# Altium PCB OBC Development Board.PcbDoc (part 1 of 3) (continued)
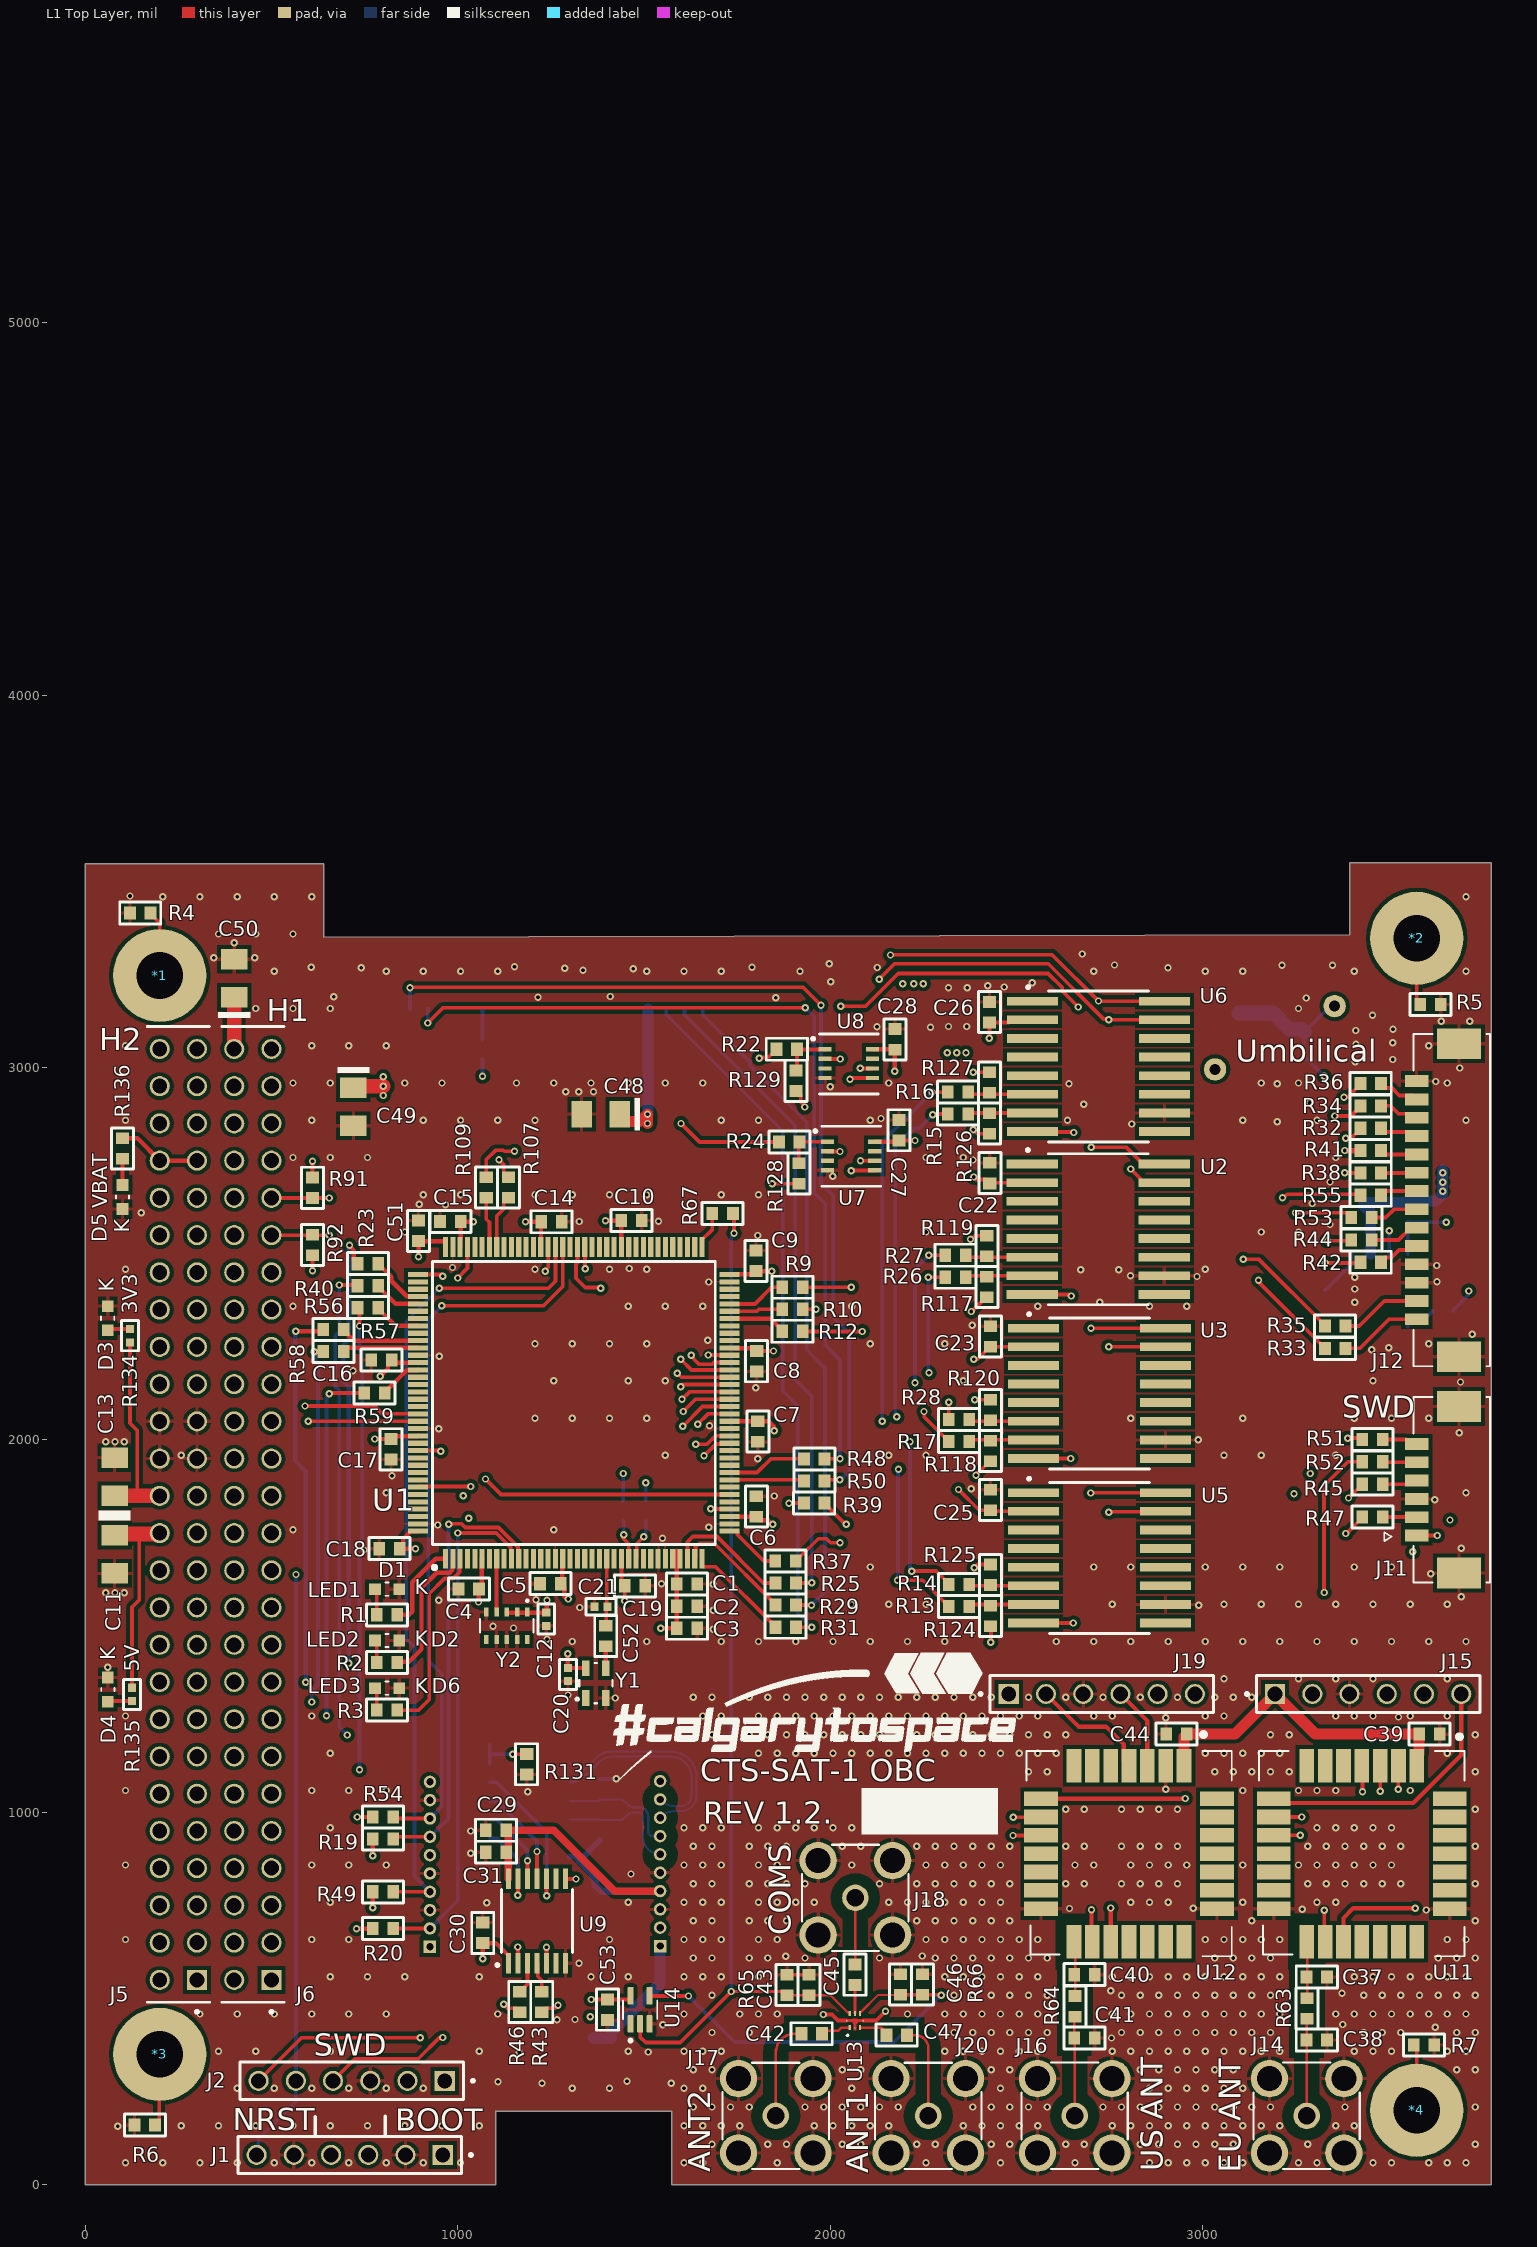
[diagram p0: L1 Top Layer view]
## Design rules (kind name [scope] priority, off if disabled: settings) (continued)
SilkToSilkClearance [All] p1 off: silktosilkclearance=0
SilkToSolderMaskClearance [IsPad] p1: minsilkscreentomaskgap=5.91 clearancetoexposedcopper=TRUE
SolderMaskExpansion SolderMaskExpansion_PAD [InPadClass('All Pads')] p1: expansion=2 istentingtop=FALSE
SolderMaskExpansion SolderMaskExpansion_VIA [IsVia] p2: expansion=4 istentingtop=TRUE
SolderMaskExpansion [All] p3: expansion=4 istentingtop=FALSE
Width "RF 50ohms" [InNetClass('50Ohms')] p1: maxlimit=10 minlimit=7 preferedwidth=10 toplayer_maxwidth=7 toplayer_prefwidth=7 midlayer1_minwidth=10 midlayer2_minwidth=10 bottomlayer_maxwidth=7 bottomlayer_prefwidth=7 minimp=50.000000 maximp=50.000000 favimp=50.000000
Width [All] p2: maxlimit=50 minlimit=4 preferedwidth=10 minimp=50.000000 maximp=50.000000 favimp=50.000000
22 further rules are at their usual default settings.

## Classes and differential pairs
net class "DIF 100 OHMS": MPI_RX_N MPI_RX_P MPI_TX_N MPI_TX_P
net class 50Ohms: NetC37_2 NetC38_2 NetC40_2 NetC41_2 NetC42_1 NetC42_2 NetC45_1 NetC45_2 NetC47_1 NetC47_2
component class "Boom Deployment": C24 C33 C34 C35 C36 D7 J8 J9 L1 R60 R61 R62 TP1 TP2 U4
component class STM32: C1 C2 C3 C4 C5 C6 C7 C8 C9 C10 C12 C13 C14 C15 C16 C17 C18 C19 C20 C21 C51 C52 D1 D2 D6 J1 J2 R1 R2 R3 R9 R10 R12 R13 R14 R15 R16 R17 R18 R19 R20 R21 R22 R23 R24 R25 R26 R27 R28 R29 R30 R31 R37 R39 R40 R43 R46 R48 R49 R50 R54 R56 R57 R58 R59 R67 R91 R92 R107 R109 U1 Y1 Y2
component class "Antenna and LoRa": C37 C38 C39 C40 C41 C42 C43 C44 C45 C46 C47 C53 J13 J14 J15 J16 J17 J18 J19 J20 R63 R64 R65 R66 U11 U12 U13 U14
component class Memory: C22 C23 C25 C26 C27 C28 R117 R118 R119 R120 R124 R125 R126 R127 R128 R129 U2 U3 U5 U6 U7 U8
component class "External Connectors": *1 *2 *3 *4 C11 C29 C30 C31 C32 C48 C49 C50 D3 D4 D5 J3 J4 J5 J6 J7 J10 J11 J12 R4 R5 R6 R7 R8 R11 R32 R33 R34 R35 R36 R38 R41 R42 R44 R45 R47 R51 R52 R53 R55 R130 R131 R134 R135 R136 U9 U10
differential pair MPI_TX: +MPI_TX_P -MPI_TX_N
differential pair MPI_RX: +MPI_RX_P -MPI_RX_N

## Components (designator, comment, footprint, x,y, rotation, side; value= is the part's Value field where it differs from the comment)
*1 "PC104 Mounting" "PC104 Mounting Points"#1 270,3200 r0 top
*2 "PC104 Mounting" "PC104 Mounting Points"#2 3575.59,3347.24 r0 top
*3 "PC104 Mounting" "PC104 Mounting Points"#3 267,290 r0 top
*4 "PC104 Mounting" "PC104 Mounting Points"#4 3500,260 r0 top
C1 "0.1uF" 0603 1616,1613 r180 top
C2 "1uF" 0603 1615.69,1553.4 r180 top
C3 "0.1uF" 0603 1615.69,1494.35 r180 top
C4 "0.1uF" 0603 1030,1600 r0 top
C5 "0.1uF" 0603 1249,1614 r0 top
C6 "0.1uF" 0603 1802,1821.44 r270 top
C7 "0.1uF" 0603 1806,2022.44 r90 top
C8 "0.1uF" 0603 1803,2211.44 r90 top
C9 "0.1uF" 0603 1801,2481 r270 top
C10 "0.1uF" 0603 1467,2589 r180 top
C11 "4.7uF" "CAP TANT 1206 (A) TCJ" 78.74,1692.91 r270 top
C12 "0.1uF" 0402 1238,1518.72 r90 top
C13 "4.7uF" "CAP TANT 1206 (A) TCJ" 78.74,1901.57 r90 top
C14 "0.1uF" 0603 1252,2586 r180 top
C15 "0.1uF" 0603 980.44,2587 r0 top
C16 "0.1uF" 0603 795.28,2214.57 r0 top
C17 "0.1uF" 0603 821,1975 r90 top
C18 "0.1uF" 0603 817,1708 r0 top
C19 "0.1uF" 0603 1476.38,1608.27 r180 top
C20 "0.1uF" 0402 1296,1370 r90 top
C21 "15 pF" 0402 1384.84,1552.17 r180 top
C22 "0.1uF" 0603 2429.13,2716.54 r90 top
C23 "0.1uF" 0603 2431.1,2277.56 r90 top
C24 "0.1uF" 0603 3328.74,2375 r90 bottom
C25 "0.1uF" 0603 2431.1,1838.58 r90 top
C26 "0.1uF" 0603 2428.31,3148.84 r90 top
C27 "0.1uF" 0603 2185.04,2831.69 r90 top
C28 "0.1uF" 0603 2174.21,3075.79 r90 top
C29 "0.1uF" 0603 1102.76,952 r180 top
C30 "0.1uF" 0603 1067.33,676.41 r90 top
C31 "1uF" 0603 1102.76,892.94 r0 top
C32 "0.1uF" 0603 1390.75,826.77 r0 bottom
C33 "22uF" "CAP TANT 1206 (A) TCJ" 3393.7,2637.8 r180 bottom
C34 "47 uF" CC-25SVPF47M 3090.55,2905.51 r0 bottom
C35 "47 uF" CC-25SVPF47M 2704.72,2905.51 r180 bottom
C36 "47 uF" CC-25SVPF47M 2724.41,2566.93 r270 bottom
C37 "0.7 pF" 0603 3307.09,558.07 r180 top
C38 "0.7 pF" 0603 3307.09,388.78 r180 top
C39 "4.7 µF" 0603 3610,1210 r180 top
C40 "0.7 pF" 0603 2683.56,564 r180 top
C41 "0.7 pF" 0603 2683.56,394 r180 top
C42 "100pF" 0603 1950.79,405.51 r0 top
C43 "33 pF" 0603 1943.9,536.42 r90 top
C44 "4.7 µF" 0603 2930.12,1210.63 r0 top
C45 "100pF" 0603 2066.93,563.98 r90 top
C46 "33 pF" 0603 2188.98,537.4 r270 top
C47 "100pF" 0603 2179.13,401.57 r180 top
C48 "4.7uF" "CAP TANT 1206 (A) TCJ" 1383.82,2875 r180 top
C49 "4.7uF" "CAP TANT 1206 (A) TCJ" 720,2895 r270 top
C50 "4.7uF" "CAP TANT 1206 (A) TCJ" 400,3240 r90 top
C51 "0.1uF" 0603 895,2561.56 r270 top
C52 "0.01uF" 0603 1397.64,1473.43 r270 top
C53 "0.1uF" 0603 1402,470 r90 top
D1 "D-SML-D12U1WT86" D-SML-D12U1WT86 810.54,1599.34 r180 top
D2 "D-SML-D12U1WT86" D-SML-D12U1WT86 810.54,1461.54 r180 top
D3 "D-SML-D12U1WT86" D-SML-D12U1WT86 60.07,2326.94 r270 top
D4 "D-SML-D12U1WT86" D-SML-D12U1WT86 60.54,1329.67 r270 top
D5 "D-SML-D12U1WT86" D-SML-D12U1WT86 100,2652.48 r90 top
D6 "D-SML-D12U1WT86" D-SML-D12U1WT86 810.54,1333.59 r180 top
D7 "B540C-13-F" D-B540C-13-F 3154.53,2116.14 r180 bottom
J1 "J-TSW-106-05-T-S" J-TSW-106-05-T-S 960,80 r180 top locked
J2 "J-TSW-106-05-T-S" J-TSW-106-05-T-S 965.35,279.06 r180 top locked
J3 "J-0532610871" J-532610871 944.88,3251.97 r0 bottom locked
J4 "J-0532610471" J-53261-0471 1339.57,393.7 r180 bottom locked
J5 "J-ESQ-126-14-G-D" J-ESQ-126-14-G-D 300,550 r270 top locked
J6 "J-ESQ-126-14-G-D" J-ESQ-126-14-G-D 500,550 r270 top locked
J7 "J-0532610671" J-0532610671 1633.86,3251.97 r0 bottom locked
J8 "J-0532610871" J-532610871 2342.52,3251.97 r0 bottom locked
J9 "J-0532610671" J-0532610671 3056.1,3251.97 r0 bottom locked
J10 "J-0530471010" J-0530471010 1543.71,640.98 r270 bottom
J11 "J-0532610671" J-0532610671 3669.65,1866.34 r90 top
J12 "J-0532617014" J-532617014 3669.65,2643.86 r270 top locked
J13 "J-0530471010" J-0530471010 925.6,639.01 r270 bottom
J14 "252105" J-252105 3280,185 r90 top
J15 "J-TSW-106-05-T-S" J-TSW-106-05-T-S 3195.08,1317.91 r0 top
J16 "252105" J-252105 2657,185 r90 top
J17 "252105" J-252105 1854.33,185.04 r0 top
J18 "252105" J-252105 2068.06,770.48 r0 top
J19 "J-TSW-106-05-T-S" J-TSW-106-05-T-S 2479.92,1317.91 r0 top
J20 "252105" J-252105 2263.78,185.04 r0 top
L1 "6.8 UH" L-IHLP4040DZER6R8M01 3081.69,2480.51 r270 bottom value="6.8 uH"
R1 "220R" 0603 810.54,1530.44 r0 top
R2 "220R" 0603 810.54,1402.49 r0 top
R3 "220R" 0603 810.54,1274.54 r0 top
R4 "0R" 0603 147.64,3415.35 r0 top
R5 "0R" 0603 3612.2,3169.29 r180 top
R6 "0R" 0603 160,160 r0 top
R7 "0R" 0603 3595,375 r180 top
R8 "1K" 0603 1382.29,952 r270 bottom
R9 "22R" 0603 1899.5,2410.07 r180 top
R10 "22R" 0603 1899.5,2351.02 r180 top
R11 "1K" 0603 1382.29,1062.24 r270 bottom
R12 "22R" 0603 1899.5,2291.96 r180 top
R13 "0R" 0603 2346.61,1553.03 r0 top
R14 "0R" 0603 2346.61,1612.09 r0 top
R15 "0R" 0603 2343.86,2875.06 r0 top
R16 "0R" 0603 2343.86,2934.12 r0 top
R17 "0R" 0603 2346.46,1996.06 r0 top
R18 "22R" 0603 1445,1810 r270 bottom
R19 "4K7" 0603 799.61,928.38 r0 top
R20 "4K7" 0603 799.61,688.22 r0 top
R21 "22R" 0603 1505,1810 r270 bottom
R22 "0R" 0603 1883.86,3049.21 r0 top
R23 "22R" 0603 758.86,2473.43 r180 top
R24 "0R" 0603 1890.75,2800.2 r0 top
R25 "22R" 0603 1880.91,1616.14 r180 top
R26 "0R" 0603 2336.61,2437.01 r0 top
R27 "0R" 0603 2336.61,2496.06 r0 top
R28 "0R" 0603 2346.46,2055.12 r0 top
R29 "22R" 0603 1880.82,1556.54 r180 top
R30 "0R" 0603 1066.93,3049.21 r90 bottom
R31 "0R" 0603 1880.91,1497.05 r180 top
R32 "0R" 0603 3451.93,2837.17 r0 top
R33 "0R" 0603 3356.46,2246.02 r0 top
R34 "0R" 0603 3451.93,2897.17 r180 top
R35 "0R" 0603 3356.46,2306.02 r0 top
R36 "0R" 0603 3451.93,2957.17 r180 top
R37 "0R" 0603 1880.56,1675 r0 top
R38 "0R" 0603 3451.93,2717.17 r180 top
R39 "22R" 0603 1957.56,1831 r180 top
R40 "22R" 0603 758.86,2414.37 r180 top
R41 "0R" 0603 3451.93,2777.17 r180 top
R42 "0R" 0603 3451.93,2477.17 r0 top
R43 "0R" 0603 1225.8,490.39 r90 top
R44 "0R" 0603 3426.93,2537.17 r0 top
R45 "0R" 0603 3456.89,1881.34 r0 top
R46 "0R" 0603 1166.7,490.39 r90 top
R47 "0R" 0603 3456.89,1793.31 r0 top
R48 "22R" 0603 1957.82,1949.26 r180 top
R49 "4K7" 0603 799.61,786.65 r0 top
R50 "22R" 0603 1957.82,1890.2 r180 top
R51 "0R" 0603 3456.89,2001.34 r0 top
R52 "0R" 0603 3456.89,1941.34 r0 top
R53 "0R" 0603 3426.93,2597.17 r0 top
R54 "4K7" 0603 799.61,987.43 r0 top
R55 "0R" 0603 3451.93,2657.17 r0 top
R56 "22R" 0603 758.86,2355.32 r180 top
R57 "22R" 0603 666.34,2296.26 r180 top
R58 "22R" 0603 666.34,2237.2 r180 top
R59 "22R" 0603 776.57,2125.98 r180 top
R60 "10K" 0603 3551.18,2614.17 r90 bottom
R61 "10K" 0603 3645.67,2346.46 r0 bottom
R62 "0.5R" 2010 3366.14,3062.99 r180 bottom
R63 "0R" 0603 3281,473.56 r270 top
R64 "0R" 0603 2658,479 r270 top
R65 "10K" 0603 1884.84,536.42 r90 top
R66 "10K" 0603 2248.03,537.4 r270 top
R67 "0R" 0603 1711.61,2608.27 r180 top
R91 "4K7" 0603 610.24,2677.17 r90 top
R92 "4K7" 0603 610.24,2523.62 r90 top
R107 "22R" 0603 1136.2,2678.28 r90 top
R109 "22R" 0603 1077,2678 r90 top
R117 "10K" 0603 2421.1,2410.55 r90 top
R118 "10K" 0603 2431.1,1970.47 r90 top
R119 "10K" 0603 2421.1,2520.79 r270 top
R120 "10K" 0603 2431.1,2080.71 r90 top
R124 "10K" 0603 2431.1,1527.56 r90 top
R125 "10K" 0603 2431.1,1637.8 r90 top
R126 "10K" 0603 2428.31,2849.63 r90 top
R127 "10K" 0603 2428.31,2959.86 r90 top
R128 "10K" 0603 1916.34,2715.55 r90 top
R129 "10K" 0603 1908.46,2964.57 r90 top
R130 "100R" 0603 1441.35,1007.12 r270 bottom
R131 "100R" 0603 1185.44,1129.17 r90 top
R134 "100R" 0402 120,2280 r90 top value=220R
R135 "100R" 0402 125.54,1316.95 r270 top value=220R
R136 "10K" 0603 100,2782.44 r90 top
TP1 "TP" TP 3035,2995 r90 bottom
TP2 "TP" TP 3355,3166 r180 bottom
U1 "U-STM32L4R5ZIT6" U-STM32L4R5ZIT6 1311.86,2099.6 r90 top locked
U2 "S70FL01GSAGMFI011" U-S70FL01GSAGMFI011 2720.31,2565.87 r0 top
U3 "S70FL01GSAGMFI011" U-S70FL01GSAGMFI011 2723.57,2125.25 r0 top
U4 "ADP2303ARDZ" U-ADP2303ARDZ 3476.38,2401.57 r270 bottom
U5 "S70FL01GSAGMFI011" U-S70FL01GSAGMFI011 2723.57,1683.41 r0 top
U6 "S70FL01GSAGMFI011" U-S70FL01GSAGMFI011 2720.94,3003.32 r0 top
U7 "CY15B108QN-40LPXI" U-CY15B108QN-40LPXI 2056.65,2762.4 r0 top
U8 "CY15B108QN-40LPXI" U-CY15B108QN-40LPXI 2050.47,3010.43 r0 top
U9 "U-MAX3378EEUD+T" U-MAX3378EEUD+T 1213,707.91 r0 top
U10 "MAX3086EESD+T" U-MAX3086EESD+T 1193.32,1030.74 r0 bottom
U11 "317990829" U-LORA-E5 3428,889 r270 top
U12 "317990829" U-LORA-E5 2803,889 r270 top
U13 "SKY13323-378LF" U-SKY13323-378LF 2066.93,440.94 r90 top
U14 "SN74LVC1G14DCKR" U-SN74LVC1G14DCKR 1490,469.8 r90 top
Y1 "TG2520SMN 20.0000M-MCGNNM3" "Y-TG2520SMN 20.0000M-MCGNNM3" 1371,1347 r90 top
Y2 "TG-3541CE 32.7680KXB3" "Y-TG-3541CE 32.7680KXB3" 1132,1501 r270 top

## Footprints (in the part's own frame and the unit in brackets; to place one, negate y for a bottom-side part, rotate by r counter-clockwise, add the part's x,y. Pads: shape width x height; smd on the part's side, far side on the other; paste and mask are expansions set on the pad)
0402 [mm] "Chip Resistor, 2-Leads, Body 1,00x0,50mm, IPC Medium Density"
  rect 0.55x0.55 smd: 1(-0.45,0) 2(0.45,0)
  silkscreen extent -1.03,-0.58 1.03,0.58, body extent -0.53,-0.27 0.53,0.28, height 0.4
0603 [mm]
  rect 0.8x0.9 smd: 1(-0.7,0) 2(0.7,0)
  silkscreen extent -1.4,-0.75 1.4,0.75, body extent -0.88,-0.48 0.87,0.47, height 1.3
2010 [mm]
  rect 1.4x3.05 smd paste+0 mask+0: 1(-2.35,0) 2(2.35,0)
  silkscreen extent -3.58,-1.5 1.3,1.5, body extent -2.5,-1.25 2.5,1.25, height 0.65
"CAP TANT 1206 (A) TCJ" [mm] "Cap Tant 2-Leads, EIA 1206, Metric 3216, Body 3.2x1.6mm"
  rect 1.4x1.8 smd: 1(-1.3,0) 2(1.3,0)
  silkscreen extent -2.7,-1.1 -2.3,1.1, body extent -1.7,-0.84 1.7,0.84, height 1.72
CC-25SVPF47M [mm]
  rect 3.5x1.6 smd: 1(-2.8,0) 2(2.8,0)
  silkscreen extent -4.45,-3.3 3.3,3.3, body extent -3.65,-3.3 3.65,3.3, height 5.9
D-B540C-13-F [mm]
  rrect25% 2.33x3.07 smd: A(3.365,0) C(-3.365,0)
  silkscreen extent -5.35,-3.05 3.55,3.05, body extent -4.1,-2.96 3.84,2.95, height 2.25
D-SML-D12U1WT86 [mm]
  rect 0.8x0.8 smd: A(0.825,0) C(-0.825,0)
  silkscreen extent -0.11,-0.45 0.11,0.45, body extent -0.8,-0.4 0.8,0.4, height 0.55
J-53261-0471 [mm]
  rect 0.8x1.6 smd: 1(-1.875,0) 2(-0.625,0) 3(0.625,0) 4(1.875,0)
  rect 2.1x3 smd: S1(-4.425,-2.9) S2(4.425,-2.9)
  silkscreen extent -3.37,-5 3.37,1.47, body extent -5.07,-4.72 5.07,0.48, height 3.4
J-252105 [mm]
  round 2.55 / inner round 2.21 / far side round 2.21 hole 1.7: 0(-2.54,-2.54) 0(-2.54,2.54) 0(2.54,-2.54) 0(2.54,2.54)
  round 1.8 / inner round 2.007 / far side round 2.007 hole 1.2 mask+0: 1(0,0)
  silkscreen extent -3.63,-3.63 3.63,3.63, body extent -3,-3 3,3, height 5.42
J-0530471010 [mm]
  rect 0.85x0.85 hole 0.5 mask+0.076: 1(0,0)
  round 0.85 hole 0.5 mask+0.076: 2(-1.25,0) 3(-2.5,0) 4(-3.75,0) 5(-5,0) 6(-6.25,0) 7(-7.5,0) 8(-8.75,0) 9(-10,0) 10(-11.25,0)
  silkscreen extent -12.75,-2.05 2.3,1.15, body extent -12.71,-2.03 1.54,1.17, height 4.23
J-0532610671 [mm]
  rect 0.8x1.6 smd mask+0: 1(-3.125,2.4) 2(-1.875,2.4) 3(-0.625,2.4) 4(0.625,2.4) 5(1.875,2.4) 6(3.125,2.4)
  rect 2.1x3 smd mask+0: S1(-5.675,-0.5) S2(5.675,-0.5)
  silkscreen extent -6.32,-2.6 6.32,4.6, body extent -6.32,-2.5 6.32,2.7, height 3.38
J-532610871 [mm]
  rect 0.8x1.6 smd mask+0: 1(-4.375,2.4) 2(-3.125,2.4) 3(-1.875,2.4) 4(-0.625,2.4) 5(0.625,2.4) 6(1.875,2.4) 7(3.125,2.4) 8(4.375,2.4)
  rect 2.1x3 smd mask+0: S1(-6.925,-0.5) S2(6.925,-0.5)
  silkscreen extent -7.57,-2.6 7.57,4.58, body extent -7.57,-2.14 7.57,3.06, height 3.38
J-532617014 [mm]
  rect 0.8x1.6 smd mask+0: 1(8.125,-2.4) 2(6.875,-2.4) 3(5.625,-2.4) 4(4.375,-2.4) 5(3.125,-2.4) 6(1.875,-2.4) 7(0.625,-2.4) 8(-0.625,-2.4) 9(-1.875,-2.4) 10(-3.125,-2.4) 11(-4.375,-2.4) 12(-5.625,-2.4) 13(-6.875,-2.4) 14(-8.125,-2.4)
  rect 2.1x3 smd mask+0: S1(10.675,0.5) S2(-10.675,0.5)
  silkscreen extent -11.32,-2.6 11.32,2.6, body extent -11.32,-2.62 11.32,2.58, height 3.38
J-ESQ-126-14-G-D [mm]
  rect 1.37x1.37 hole 1.02: 01(0,0)
  round 1.37 hole 1.02: 02(0,-2.54) 03(-2.54,0) 04(-2.54,-2.54) 05(-5.08,0) 06(-5.08,-2.54) 07(-7.62,0) 08(-7.62,-2.54) 09(-10.16,0) 10(-10.16,-2.54) 11(-12.7,0) 12(-12.7,-2.54) 13(-15.24,0) 14(-15.24,-2.54) 15(-17.78,0) 16(-17.78,-2.54) 17(-20.32,0) 18(-20.32,-2.54) 19(-22.86,0) 20(-22.86,-2.54) 21(-25.4,0) 22(-25.4,-2.54) 23(-27.94,0) 24(-27.94,-2.54) 25(-30.48,0) 26(-30.48,-2.54) 27(-33.02,0) 28(-33.02,-2.54) 29(-35.56,0) 30(-35.56,-2.54) 31(-38.1,0) 32(-38.1,-2.54) 33(-40.64,0) 34(-40.64,-2.54) 35(-43.18,0) 36(-43.18,-2.54) 37(-45.72,0) 38(-45.72,-2.54) 39(-48.26,0) 40(-48.26,-2.54) 41(-50.8,0) 42(-50.8,-2.54) 43(-53.34,0) 44(-53.34,-2.54) 45(-55.88,0) 46(-55.88,-2.54) 47(-58.42,0) 48(-58.42,-2.54) 49(-60.96,0) 50(-60.96,-2.54) 51(-63.5,0) 52(-63.5,-2.54)
  silkscreen extent -65.03,-3.39 2.27,0.85, body extent -65.02,-3.81 1.52,1.27, height 11.1
J-TSW-106-05-T-S [mm]
  rect 1.37x1.37 hole 1.02: 01(0,0)
  round 1.37 hole 1.02: 02(2.54,0) 03(5.08,0) 04(7.62,0) 05(10.16,0) 06(12.7,0)
  silkscreen extent -2.02,-1.27 13.97,1.27, body extent -1.35,-1.27 14.02,1.27, height 5.21
L-IHLP4040DZER6R8M01 [mil]
  rect 115x128 smd paste+0 mask+0: 1(-168.5,0) 2(168.5,0)
  silkscreen extent -273,-208 225,208, body extent -220,-202 220,202, height 160
"PC104 Mounting Points"#1 [mm]
  round 6.35 hole 3.18: 1(-1.778,1.2)
"PC104 Mounting Points"#2 [mm]
  round 6.35 hole 3.18: 1(0,0)
"PC104 Mounting Points"#3 [mm]
  round 6.35 hole 3.18: 1(-1.702,1.524)
"PC104 Mounting Points"#4 [mm]
  round 6.35 hole 3.18: 1(1.92,-1.524)
TP [mil]
  round 60 hole 30: 1(0,-1)
U-ADP2303ARDZ [mm]
  rrect25% 1.97x0.6 smd: 1(-2.475,1.905) 2(-2.475,0.635) 3(-2.475,-0.635) 4(-2.475,-1.905) 5(2.475,-1.905) 6(2.475,-0.635) 7(2.475,0.635) 8(2.475,1.905)
  rect 2.29x2.29 smd paste-2: 9(0,0)
  silkscreen extent -4.54,-2.52 2,2.6, body extent -3,-2.45 3,2.45, height 1.75
U-CY15B108QN-40LPXI [mm]
  rect 0.9x0.3 smd: 1(-1.615,0.975) 2(-1.615,0.325) 3(-1.615,-0.325) 4(-1.615,-0.975) 5(1.615,-0.975) 6(1.615,-0.325) 7(1.615,0.325) 8(1.615,0.975)
  silkscreen extent -2.54,-2.06 2.01,2.03, body extent -1.62,-1.64 1.62,1.64, height 0.55
U-LORA-E5 [mm]
  rrect0% 2.3x1 smd: 1(-6,3.75) 2(-6,2.5) 3(-6,1.25) 4(-6,0) 5(-6,-1.25) 6(-6,-2.5) 7(-6,-3.75) 15(6,-3.75) 16(6,-2.5) 17(6,-1.25) 18(6,0) 19(6,1.25) 20(6,2.5) 21(6,3.75)
  rrect0% 1x2.3 smd: 8(-3.75,-6) 9(-2.5,-6) 10(-1.25,-6) 11(0,-6) 12(1.25,-6) 13(2.5,-6) 14(3.75,-6) 22(3.75,6) 23(2.5,6) 24(1.25,6) 25(0,6) 26(-1.25,6) 27(-2.5,6) 28(-3.75,6)
  silkscreen extent -8.08,-7 7,7, body extent -6,-6 6,6, height 2.5
U-MAX3086EESD+T [mil]
  rect 57.5x21 smd paste+0 mask+0: 1(-107.25,150) 2(-107.25,100) 3(-107.25,50) 4(-107.25,0) 5(-107.25,-50) 6(-107.25,-100) 7(-107.25,-150) 8(107.25,-150) 9(107.25,-100) 10(107.25,-50) 11(107.25,0) 12(107.25,50) 13(107.25,100) 14(107.25,150)
  silkscreen extent -114,-177 84,193, body extent -122,-172 122,172, height 69
U-MAX3378EEUD+T [mm]
  rect 0.35x1.4 smd: 1(-1.95,-2.875) 2(-1.3,-2.875) 3(-0.65,-2.875) 4(0,-2.875) 5(0.65,-2.875) 6(1.3,-2.875) 7(1.95,-2.875) 8(1.95,2.875) 9(1.3,2.875) 10(0.65,2.875) 11(0,2.875) 12(-0.65,2.875) 13(-1.3,2.875) 14(-1.95,2.875)
  silkscreen extent -2.8,-3.1 2.41,2.16, body extent -2.5,-3.17 2.5,3.23, height 1.1
U-S70FL01GSAGMFI011 [mm]
  rect 3.5x0.6 smd: 1(-4.5,4.445) 2(-4.5,3.175) 3(-4.5,1.905) 4(-4.5,0.635) 5(-4.5,-0.635) 6(-4.5,-1.905) 7(-4.5,-3.175) 8(-4.5,-4.445) 9(4.5,-4.445) 10(4.5,-3.175) 11(4.5,-1.905) 12(4.5,-0.635) 13(4.5,0.635) 14(4.5,1.905) 15(4.5,3.175) 16(4.5,4.445)
  silkscreen extent -4.9,-5.15 3.4,5.5, body extent -5.15,-5.15 5.15,5.15, height 2.65
U-SKY13323-378LF [mm]
  rect 0.33x0.15 smd: 1(-0.485,0.35) 3(-0.485,-0.35) 4(0.485,-0.35) 5(0.485,0) 6(0.485,0.35)
  rect 0.1x0.1 smd paste-1 mask+0: 2(-0.51,0) 2(0,0.555) 2(0,-0.555)
  L1 Top Layer region: 0.075,0.365 -0.075,0.25 -0.075,0.65 0.075,0.65
  L1 Top Layer region: 0.075,-0.65 -0.075,-0.65 -0.075,-0.365 0.075,-0.365
  L1 Top Layer region: 0.13,0.165 0.13,-0.165 0.075,-0.365 -0.075,-0.365 -0.075,-0.25 -0.25,-0.075 -0.25,0.075 -0.162,0.162 -0.075,0.25 0.075,0.365
  L1 Top Layer region: -0.25,-0.075 -0.65,-0.075 -0.65,0.075 -0.25,0.075
  silkscreen extent -1.09,0.44 -0.95,0.58, body extent -0.5,-0.5 0.5,0.5, height 0.5
U-SN74LVC1G14DCKR [mm]
  rrect25% 1.19x0.4 smd: 1(-0.96,0.65) 2(-0.96,0) 3(-0.96,-0.65) 4(0.96,-0.65) 5(0.96,0.65)
  silkscreen extent -2.2,-1.17 0.63,1.17, body extent -1.05,-1 1.05,1, height 1.1
U-STM32L4R5ZIT6 [mm]
  rect 1.35x0.35 smd mask+0.051: 1(-10.625,8.75) 2(-10.625,8.25) 3(-10.625,7.75) 4(-10.625,7.25) 5(-10.625,6.75) 6(-10.625,6.25) 7(-10.625,5.75) 8(-10.625,5.25) 9(-10.625,4.75) 10(-10.625,4.25) 11(-10.625,3.75) 12(-10.625,3.25) 13(-10.625,2.75) 14(-10.625,2.25) 15(-10.625,1.75) 17(-10.625,0.75) 18(-10.625,0.25) 19(-10.625,-0.25) 20(-10.625,-0.75) 21(-10.625,-1.25) 22(-10.625,-1.75) 23(-10.625,-2.25) 24(-10.625,-2.75) 25(-10.625,-3.25) 26(-10.625,-3.75) 27(-10.625,-4.25) 28(-10.625,-4.75) 29(-10.625,-5.25) 30(-10.625,-5.75) 31(-10.625,-6.25) 32(-10.625,-6.75) 33(-10.625,-7.25) 34(-10.625,-7.75) 35(-10.625,-8.25) 36(-10.625,-8.75) 73(10.625,-8.75) 74(10.625,-8.25) 75(10.625,-7.75) 76(10.625,-7.25) 77(10.625,-6.75) 78(10.625,-6.25) 79(10.625,-5.75) 80(10.625,-5.25) 81(10.625,-4.75) 82(10.625,-4.25) 83(10.625,-3.75) 84(10.625,-3.25) 85(10.625,-2.75) 86(10.625,-2.25) 87(10.625,-1.75) 88(10.625,-1.25) 89(10.625,-0.75) 90(10.625,-0.25) 91(10.625,0.25) 92(10.625,0.75) 93(10.625,1.25) 94(10.625,1.75) 95(10.625,2.25) 96(10.625,2.75) 97(10.625,3.25) 98(10.625,3.75) 99(10.625,4.25) 100(10.625,4.75) 101(10.625,5.25) 102(10.625,5.75) 103(10.625,6.25) 104(10.625,6.75) 105(10.625,7.25) 106(10.625,7.75) 107(10.625,8.25) 108(10.625,8.75)
  rect 1.35x0.35 smd paste+0 mask+0.051: 16(-10.625,1.25)
  rect 0.35x1.35 smd mask+0.051: 37(-8.75,-10.625) 38(-8.25,-10.625) 39(-7.75,-10.625) 40(-7.25,-10.625) 41(-6.75,-10.625) 42(-6.25,-10.625) 43(-5.75,-10.625) 44(-5.25,-10.625) 45(-4.75,-10.625) 46(-4.25,-10.625) 47(-3.75,-10.625) 48(-3.25,-10.625) 49(-2.75,-10.625) 50(-2.25,-10.625) 51(-1.75,-10.625) 52(-1.25,-10.625) 53(-0.75,-10.625) 54(-0.25,-10.625) 55(0.25,-10.625) 56(0.75,-10.625) 57(1.25,-10.625) 58(1.75,-10.625) 59(2.25,-10.625) 60(2.75,-10.625) 61(3.25,-10.625) 62(3.75,-10.625) 63(4.25,-10.625) 64(4.75,-10.625) 65(5.25,-10.625) 66(5.75,-10.625) 67(6.25,-10.625) 68(6.75,-10.625) 69(7.25,-10.625) 70(7.75,-10.625) 71(8.25,-10.625) 72(8.75,-10.625) 109(8.75,10.625) 110(8.25,10.625) 111(7.75,10.625) 112(7.25,10.625) 113(6.75,10.625) 114(6.25,10.625) 115(5.75,10.625) 116(5.25,10.625) 117(4.75,10.625) 118(4.25,10.625) 119(3.75,10.625) 120(3.25,10.625) 121(2.75,10.625) 122(2.25,10.625) 123(1.75,10.625) 124(1.25,10.625) 125(0.75,10.625) 126(0.25,10.625) 127(-0.25,10.625) 128(-0.75,10.625) 129(-1.25,10.625) 130(-1.75,10.625) 131(-2.25,10.625) 132(-2.75,10.625) 133(-3.25,10.625) 134(-3.75,10.625) 135(-4.25,10.625) 136(-4.75,10.625) 137(-5.25,10.625) 138(-5.75,10.625) 139(-6.25,10.625) 140(-6.75,10.625) 141(-7.25,10.625) 142(-7.75,10.625) 143(-8.25,10.625) 144(-8.75,10.625)
  silkscreen extent -11.35,-9.65 9.65,9.65, body extent -11,-11 11,11, height 1.6
"Y-TG2520SMN 20.0000M-MCGNNM3" [mil]
  rect 42x20 smd paste+0 mask+0: 1(-40,26.57) 2(-40,-26.57) 3(40,-26.57) 4(40,26.57)
  silkscreen extent -54,-44 54,54, body extent -49,-39 49,39, height 32
"Y-TG-3541CE 32.7680KXB3" [mil]
  rect 24x12 smd paste+0 mask+0: 1(-37.21,55.12) 2(-37.21,27.56) 3(-37.21,0) 4(-37.21,-27.56) 5(-37.21,-55.12) 6(37.21,-55.12) 7(37.21,-27.56) 8(37.21,0) 9(37.21,27.56) 10(37.21,55.12)
  silkscreen extent -70,-72 18,72, body extent -53,-67 53,67, height 39

## Part data
C1 C3 C4 C5 C6 C7 C8 C9 C10 C14 C15 C16 C17 C18 C19 C22 C23 C24 C25 C26 C27 C28 C29 C30 C32 C51 C53: library part CC-104-K-25V-X7R-0603, "0.1 µF ±10% 25V Ceramic Capacitor X7R 0603 (1608 Metric)", Manufacturer="Samsung Electro-Mechanics", Manufacturer Part #=CL10B104KA8NNNC, ComponentLink1description=Datasheet, ComponentLink1URL=https://ds.yuden.co.jp/TYCOMPAS/ut/detail?pn=TMK105BJ104KV-F%20%20&u=M, ComponentLink2description="Manufacturer Website", ComponentLink2URL=https://www.yuden.co.jp/or/, Distributor=Digikey, Distributor Part #=1276-1006-1-ND, Part Description="0.1 µF ±10% 25V Ceramic Capacitor X7R 0603 (1608 Metric)"
C2 C31: library part CC-105-K-25V-X7R-0603, "CAP CER 1UF 25V X7R 0603", Manufacturer=Yageo, Manufacturer Part #=CC0603KRX7R8BB105, ComponentLink1description=Datasheet, ComponentLink1URL=https://www.yageo.com/upload/media/product/productsearch/datasheet/mlcc/UPY-GPHC_X7R_6.3V-to-50V_18.pdf, ComponentLink2description="Manufacture Website", ComponentLink2URL=https://www.yageo.com/en/Home, Distributor=Digikey, Distributor Part #=311-1802-1-ND, Part Description="CAP CER 1UF 25V X7R 0603", SignalCraft Part #=CC-105-K-25V-X7R-0603
C11 C13 C48 C49 C50: library part CT-474-M-20V-OTH-1206, "4.7 µF Molded Tantalum Capacitors 20 V 1206 (3216 Metric) 4Ohm", Manufacturer="AVX Corporation", Manufacturer Part #=TAJA475K020RNJ, ComponentLink1description=Datasheet, ComponentLink2description="Manufacturer Website", Distributor=Digikey, Distributor Part #=478-1668-1-ND, Part Description="4.7 µF Molded Tantalum Capacitors 20 V 1206 (3216 Metric) 4Ohm"
C12 C20: library part CC-104-K-25V-X7R-0402, "CAP CER 0.1UF 25V X7R 0402", Manufacturer=YAGEO, Manufacturer Part #=CC0402KPX7R8BB104, ComponentLink1description=Datasheet, ComponentLink1URL=https://ds.yuden.co.jp/TYCOMPAS/ut/detail?pn=TMK105BJ104KV-F%20%20&u=M, ComponentLink2description="Manufacturer Website", ComponentLink2URL=https://www.yuden.co.jp/or/, Distributor=Digikey, Distributor Part #=13-CC0402KPX7R8BB104CT-ND, Part Description="CAP CER 0.1UF 25V X7R 0402"
C21: library part CC-159-J-50V-C0G-0402, "15 pF ±1% 50V Ceramic Capacitor C0G, NP0 0402 (1005 Metric)", Manufacturer=YAGEO, Manufacturer Part #=CC0402FRNPO9BN150, ComponentLink1description=Datasheet, ComponentLink2description="Manufacture Website", Distributor=Digikey, Distributor Part #=311-1642-1-ND, Part Description="15 pF ±1% 50V Ceramic Capacitor C0G, NP0 0402 (1005 Metric)"
C33: library part CT-225-M-20V-OTH-1206, "CAP TANT 22UF 10% 10V 1206", Manufacturer="KYOCERA AVX", Manufacturer Part #=TPSA226K010T0900, ComponentLink1description=Datasheet, ComponentLink2description="Manufacturer Website", Distributor=Digikey, Distributor Part #=478-11193-1-ND, Part Description="CAP TANT 22UF 10% 10V 1206"
C34 C35 C36: library part CC-25SVPF47M, "CAP ALUM POLY 47UF 20% 25V SMD", Manufacturer="Panasonic Electronic Components", Manufacturer Part #=25SVPF47M, ComponentLink1description=Datasheet, ComponentLink2description="Manufacture Website", Distributor=Digikey, Distributor Part #=P16513CT-ND, Part Description="CAP ALUM POLY 47UF 20% 25V SMD"
C37 C38 C40 C41: library part CC-710-K-50V-X7R-0603, "CAP CER 0.7PF 50V NP0 0603", Manufacturer=KEMET, Manufacturer Part #=CBR06C708B5GAC, ComponentLink1description=Datasheet, ComponentLink1URL=https://ds.yuden.co.jp/TYCOMPAS/ut/detail?pn=TMK105BJ104KV-F%20%20&u=M, ComponentLink2description="Manufacturer Website", ComponentLink2URL=https://www.yuden.co.jp/or/, Distributor=Digikey, Distributor Part #=399-CBR06C708B5GACCT-ND
C39 C44: library part CC-105-K-25V-X7R-0603, "CAP CER 4.7UF 16V X7R 0603", Manufacturer="Murata Electronics", Manufacturer Part #=GRM188Z71C475KE21J, Distributor=Digikey, Distributor Part #=490-GRM188Z71C475KE21JCT-ND
C42 C45 C47: library part CC-104-K-25V-X5R-0402, "CAP CER 100PF 50V X7R 0603", Manufacturer=YAGEO, Manufacturer Part #=CC0603KRX7R9BB101, ComponentLink1description=Datasheet, ComponentLink1URL=https://ds.yuden.co.jp/TYCOMPAS/ut/detail?pn=TMK105BJ104KV-F%20%20&u=M, ComponentLink2description="Manufacturer Website", ComponentLink2URL=https://www.yuden.co.jp/or/, Distributor=Digikey, Distributor Part #=311-3601-1-ND, Part Description="CAP CER 100PF 50V X7R 0603"
C43 C46: library part CC-339-K-50V-X7R-0603, "CAP CER 33PF 50V X7R 0603", Manufacturer=KEMET, Manufacturer Part #=C0603C330K5RAC7867, ComponentLink1description=Datasheet, ComponentLink1URL=https://ds.yuden.co.jp/TYCOMPAS/ut/detail?pn=TMK105BJ104KV-F%20%20&u=M, ComponentLink2description="Manufacturer Website", ComponentLink2URL=https://www.yuden.co.jp/or/, Distributor=Digikey, Distributor Part #=399-C0603C330K5RAC7867CT-ND, Part Description="CAP CER 33PF 50V X7R 0603"
C52: library part CC-105-K-50V-X7R-0603, "CAP CER 10000PF 50V X7R 0603", Manufacturer="Samsung Electro-Mechanics", Manufacturer Part #=CL10B103KB8NNNC, ComponentLink1description=Datasheet, ComponentLink1URL=https://ds.yuden.co.jp/TYCOMPAS/ut/detail?pn=TMK105BJ104KV-F%20%20&u=M, ComponentLink2description="Manufacturer Website", ComponentLink2URL=https://www.yuden.co.jp/or/, Distributor=Digikey, Distributor Part #=1276-1009-1-ND, Part Description="CAP CER 10000PF 50V X7R 0603"
D1 D2 D3 D4 D5 D6: "Red 620nm LED Indication - Discrete 2.2V 0603 _1608 Metric", Manufacturer="Rohm Semiconductor", Manufacturer Part #=SML-D12U1WT86, Distributor=Digikey, Distributor Part #=SML-D12U1WT86CT-ND
D7: library part D-B540C-13-F, "DIODE SCHOTTKY 40V 5A SMC", Manufacturer="Diodes Incorporated", Distributor=Digikey, Distributor Part #=B540C-FDICT-ND, Manufacturer Part #=B540C-13-F
J1 J2 J15 J19: "CONN HEADER VERT 6POS 2.54MM", Manufacturer=Samtec, Manufacturer Part #=TSW-106-05-T-S, Distrbutor=None, Distrbutor part #=SAM12323-ND, Price=None
J3 J8: "CONN HEADER SMD R/A 8POS 1.25MM", Distributor=Digi-Key, Distributor Part #=WM7626CT-ND, Manfacturer=Molex, Manfacturer Part #=0532610871
J4: "CONN HEADER SMD R/A 4POS 1.25MM", Distributor=Digi-Key, Distributor Part #=WM7622CT-ND, Manfacturer=Molex, Manfacturer Part #=0532610471
J5 J6: "CONN SOCKET 52POS 0.1 GOLD PCB", Manufacturer="Samtec Inc.", Manufacturer Part #=ESQ-126-14-G-D, Distributor=Digikey, Distributor Part #=SAM11114-ND
J7 J9 J11: "CONN HEADER SMD R/A 6POS 1.25MM", Distributor=Digi-Key, Distributor Part #=WM7624CT-ND, Manfacturer=Molex, Manfacturer Part #=0532610671
J10 J13: "CONN HEADER VERT 10POS 1.25MM", Manufacturer=Molex, Manufacturer Part #=0530471010, Distributor=Digikey, Distributor Part #=WM1739-ND
J12: "Connector Header Surface Mount, Right Angle 14 position 0.049 (1.25mm)", Manufacturer=Molex, Manufacturer Part #=0532617014, Distributor=Digikey, Distributor Part #=900-0532617014CT-ND, SnapEDA_Link=https://www.snapeda.com/parts/532617014/Molex/view-part/5064407/?ref=snap
J14 J16 J17 J18 J20: library part J-252105, "CONN MCX RCPT STR 50 OHM PCB", Manufacturer="Amphenol RF", Distributor=Digikey, Distributor Part #=ACX1262-ND, Manufacturer Part #=252105
L1: library part L-IHLP4040DZER6R8M01, "FIXED IND 6.8UH 8A 23.3 MOHM SMD", Manufacturer="Vishay Dale", Manufacturer Part #=IHLP4040DZER6R8M01, Distributor=Digikey, Distributor Part #=541-1303-1-ND
R1 R2 R3: library part RT-220R-F-1/16W-0603, "220 Ohms ±0.5% 0.063W, 1/16W Chip Resistor 0603 (1608 Metric) - Thin Film", Manufacturer=Susumu, Manufacturer Part #=RR0816P-221-D, Distributor=Digikey, Distributor Part #=RR08P220DCT-ND, Part Description="220 Ohms ±0.5% 0.063W, 1/16W Chip Resistor 0603 (1608 Metric) - Thin Film"
R4 R5 R6 R7 R13 R14 R15 R16 R17 R22 R24 R26 R27 R28 R30 R31 R32 R33 R34 R35 R36 R37 R38 R41 R42 R43 R44 R45 R46 R47 R51 R52 R53 R55 R63 R64 R67: library part RT-0R00-F-1/10W-0603, "0 Ohms Jumper 0.1W, 1/10W Chip Resistor 0603 (1608 Metric) Automotive AEC-Q200 Thick Film", Manufacturer="Stackpole Electronics Inc", Manufacturer Part #=RMCF0603ZT0R00, ComponentLink1description=Datasheet, ComponentLink1URL=https://industrial.panasonic.com/ww/products/resistors/chip-resistors/general-purpose-chip-resistors/models/ERJ2GE0R00X, ComponentLink2description="Manufacturer Website", ComponentLink2URL=https://industrial.panasonic.com/ww/products/resistors/chip-resistors/general-purpose-chip-resistors/models/ERJ2GE0R00X, Distributor=Digikey, Distributor Part #=RMCF0603ZT0R00CT-ND, Part Description="0 Ohms Jumper 0.1W, 1/10W Chip Resistor 0603 (1608 Metric) Automotive AEC-Q200 Thick Film"
R8 R11: library part RT-1K0-F-1/16W-0603, "RES SMD 1K OHM 1% 1/16W 0603", Manufacturer="TE Connectivity Passive Product", Manufacturer Part #=CPF0603F1K0C1, ComponentLink1description=Datasheet, ComponentLink1URL=https://www.vishay.com/docs/20035/dcrcwe3.pdf, ComponentLink2description="Manufacturer Website", ComponentLink2URL=https://www.vishay.com/, Distributor=Digikey, Distributor Part #=A102226CT-ND, Part Description="RES SMD 1K OHM 1% 1/16W 0603"
R9 R10 R12 R18 R21 R23 R25 R29 R39 R40 R48 R50 R56 R57 R58 R59 R107 R109: library part RT-22R0-F-1/16W-0603, "22 Ohms ±0.5% 0.063W, 1/16W Chip Resistor 0603 (1608 Metric) - Thin Film", Manufacturer=Susumu, Manufacturer Part #=RR0816Q-220-D, ComponentLink1description=Datasheet, ComponentLink1URL=https://www.vishay.com/docs/20035/dcrcwe3.pdf, ComponentLink2description="Manufacturer Website", ComponentLink2URL=https://www.vishay.com/, Distributor=Digikey, Distributor Part #=RR08Q22DCT-ND, Part Description="22 Ohms ±0.5% 0.063W, 1/16W Chip Resistor 0603 (1608 Metric) - Thin Film"
R19 R20 R49 R54 R91 R92: library part RT-4K7-F-1/16W-0603, "RES SMD 4.7K OHM 1% 1/10W 0603", Manufacturer="Bourns Inc.", Manufacturer Part #=CR0603-FX-4701ELF, ComponentLink1description=Datasheet, ComponentLink1URL=https://www.vishay.com/docs/20035/dcrcwe3.pdf, ComponentLink2description="Manufacturer Website", ComponentLink2URL=https://www.vishay.com/, Distributor=Digikey, Distributor Part #=CR0603-FX-4701ELFCT-ND, Part Description="RES SMD 4.7K OHM 1% 1/10W 0603"
R60 R61: library part RT-10K0-F-1/16W-0603, "RES 10K OHM 1% 1/8W 0603", Manufacturer="Stackpole Electronics Inc", Manufacturer Part #=RNCP0603FTD10K0, ComponentLink1description=Datasheet, ComponentLink1URL=https://www.vishay.com/docs/20035/dcrcwe3.pdf, ComponentLink2description="Manufacturer Website", ComponentLink2URL=https://www.vishay.com/, Distributor=Digikey, Distributor Part #=RNCP0603FTD10K0CT-ND, Part Description="RES 10K OHM 1% 1/8W 0603"
R62: library part RT-0.5R0-F-1W-2010, "RES 0.5 OHM 1% 1W 2010", Manufacturer="Vishay Dale", Manufacturer Part #=WSLT2010R5000FEA18, ComponentLink1description=Datasheet, ComponentLink1URL=https://www.vishay.com/docs/20035/dcrcwe3.pdf, ComponentLink2description="Manufacturer Website", ComponentLink2URL=https://www.vishay.com/, Distributor=Digikey, Distributor Part #=541-10112-1-ND, Part Description="RES 0.5 OHM 1% 1W 2010"
R65 R66 R117 R118 R119 R120 R124 R125 R126 R127 R128 R129 R136: library part RT-10K0-F-1/16W-0603, "10 kOhms ±0.1% 0.063W, 1/16W Chip Resistor 0603 (1608 Metric) - Thin Film", Manufacturer="TE Connectivity Passive Product", Manufacturer Part #=CPF0603B10KE, ComponentLink1description=Datasheet, ComponentLink1URL=https://www.vishay.com/docs/20035/dcrcwe3.pdf, ComponentLink2description="Manufacturer Website", ComponentLink2URL=https://www.vishay.com/, Distributor=Digikey, Distributor Part #=A119886CT-ND, Part Description="10 kOhms ±0.1% 0.063W, 1/16W Chip Resistor 0603 (1608 Metric) - Thin Film"
R130 R131: library part RT-100R-F-1/16W-0603, "RES SMD 100 OHM 0.5% 1/16W 0603", Manufacturer=Susumu, Manufacturer Part #=RR08P100DCT-ND, Distributor=Digikey, Distributor Part #=RR08P100DCT-ND, Part Description="RES SMD 100 OHM 0.5% 1/16W 0603"
R134 R135: library part RT-220R-F-1/16W-0402, "RES 220 OHM 5% 1/16W 0402", Manufacturer=Yageo, Manufacturer Part #=RC0402JR-07220RL, Distributor=Digikey, Distributor Part #=311-220JRCT-ND, Part Description="RES 220 OHM 5% 1/16W 0402"
TP1 TP2: "Test Point", ComponentLink1description=Datasheet, ComponentLink1URL=https://industrial.panasonic.com/ww/products/resistors/chip-resistors/general-purpose-chip-resistors/models/ERJ2GE0R00X, ComponentLink2description="Manufacturer Website", ComponentLink2URL=https://industrial.panasonic.com/ww/products/resistors/chip-resistors/general-purpose-chip-resistors/models/ERJ2GE0R00X
U1: "IC MCU 32BIT 2MB FLASH 144LQFP", Manufacturer=STMicroelectronics, Manufacturer Part #=STM32L4R5ZIT6, Mouser Part Number=511-STM32L4R5ZIT6P, Distributor=Mouser
U2 U3 U5 U6: library part U-S70FL01GSAGMFI011, "IC FLASH 1GBIT SPI/QUAD 16SOIC", Manufacturer="Cypress Semiconductor", Distributor=Digikey, Distributor Part #=1274-1092-ND, Manufacturer Part #=S70FL01GSAGMFI011
U4: library part U-ADP2303ARDZ, "IC REG BUCK ADJUSTABLE 3A 8SOIC", Manufacturer="Analog Devices Inc.", Distributor=Digikey, Distributor Part #=505-ADP2303ARDZ-ND, Manufacturer Part #=ADP2303ARDZ
U7 U8: library part U-CY15B108QN-40LPXI, "IC FRAM 8MBIT SPI 40MHZ 8GQFN", Manufacturer="Cypress Semiconductor", Distributor=Digikey, Distributor Part #=428-4723-ND, Manufacturer Part #=CY15B108QN-40LPXI
U9: "IC TRNSLTR BIDIRECTIONAL 14TSSOP", Manufacturer="Maxim Integrated", Manufacturer Part #=MAX3378EEUD+T, Distributor=Digikey, Distributor Part #=MAX3378EEUD+TCT-ND
U10: library part U-MAX3086EESD+T, "IC TRANSCEIVER FULL 1/1 14SOIC", Manufacturer="Maxim Integrated Products", Distributor=Digikey, Distributor Part #=MAX3086EESD+TCT-ND, Manufacturer Part #=MAX3086EESD+T, Type=DEV
U11 U12: library part U-LORA-E5, "LORA-E5 WIRELESS MODULE (TAPE RE", Manufacturer="Seeed Technology Co., Ltd", Distributor=Digikey, Distributor Part #=1597-317990829CT-ND, Manufacturer Part #=317990829
U13: library part U-SKY13323-378LF, "IC RF SWITCH SPDT 3GHZ 6MLPD", Manufacturer="Skyworks Solutions Inc.", Distrbutor part #=683-1334-1-ND, Distributor=Digikey, Manufacturer Part #=SKY13323-378LF
U14: library part U-SN74LVC1G14DCKR, "IC INVERT SCHMITT 1CH 1IN SC70", Distributor Part Number=296-11608-1-ND, Manufactuer="Texas Instruments", Distributor=Digikey, Manufacturer Part Number=SN74LVC1G14DCKR
Y1: library part "Y-TG2520SMN 20.0000M-MCGNNM3", "XTAL OSC TCXO 20.0000MHZ CSWV", Manufacturer=EPSON, Distributor=Digikey, Distributor Part #=114-TG2520SMN20.0000M-MCGNNM3CT-ND, Manufacturer Part #="TG2520SMN 20.0000M-MCGNNM3"
Y2: library part "Y-TG-3541CE 32.7680KXB3", "XTAL OSC TCXO 32.7680KHZ CMOS", Manufacturer=EPSON, Distributor=Digikey, Distributor Part #=SER4422CT-ND, Manufacturer Part #="TG-3541CE 32.7680KXB3"

## Via types
v1: diameter 19.68, hole 9.84, L1 Top Layer to L6 Bottom Layer, tented both sides, 1126 vias